# Altium PCB PCB1.PcbDoc (part 2 of 5) (continued)
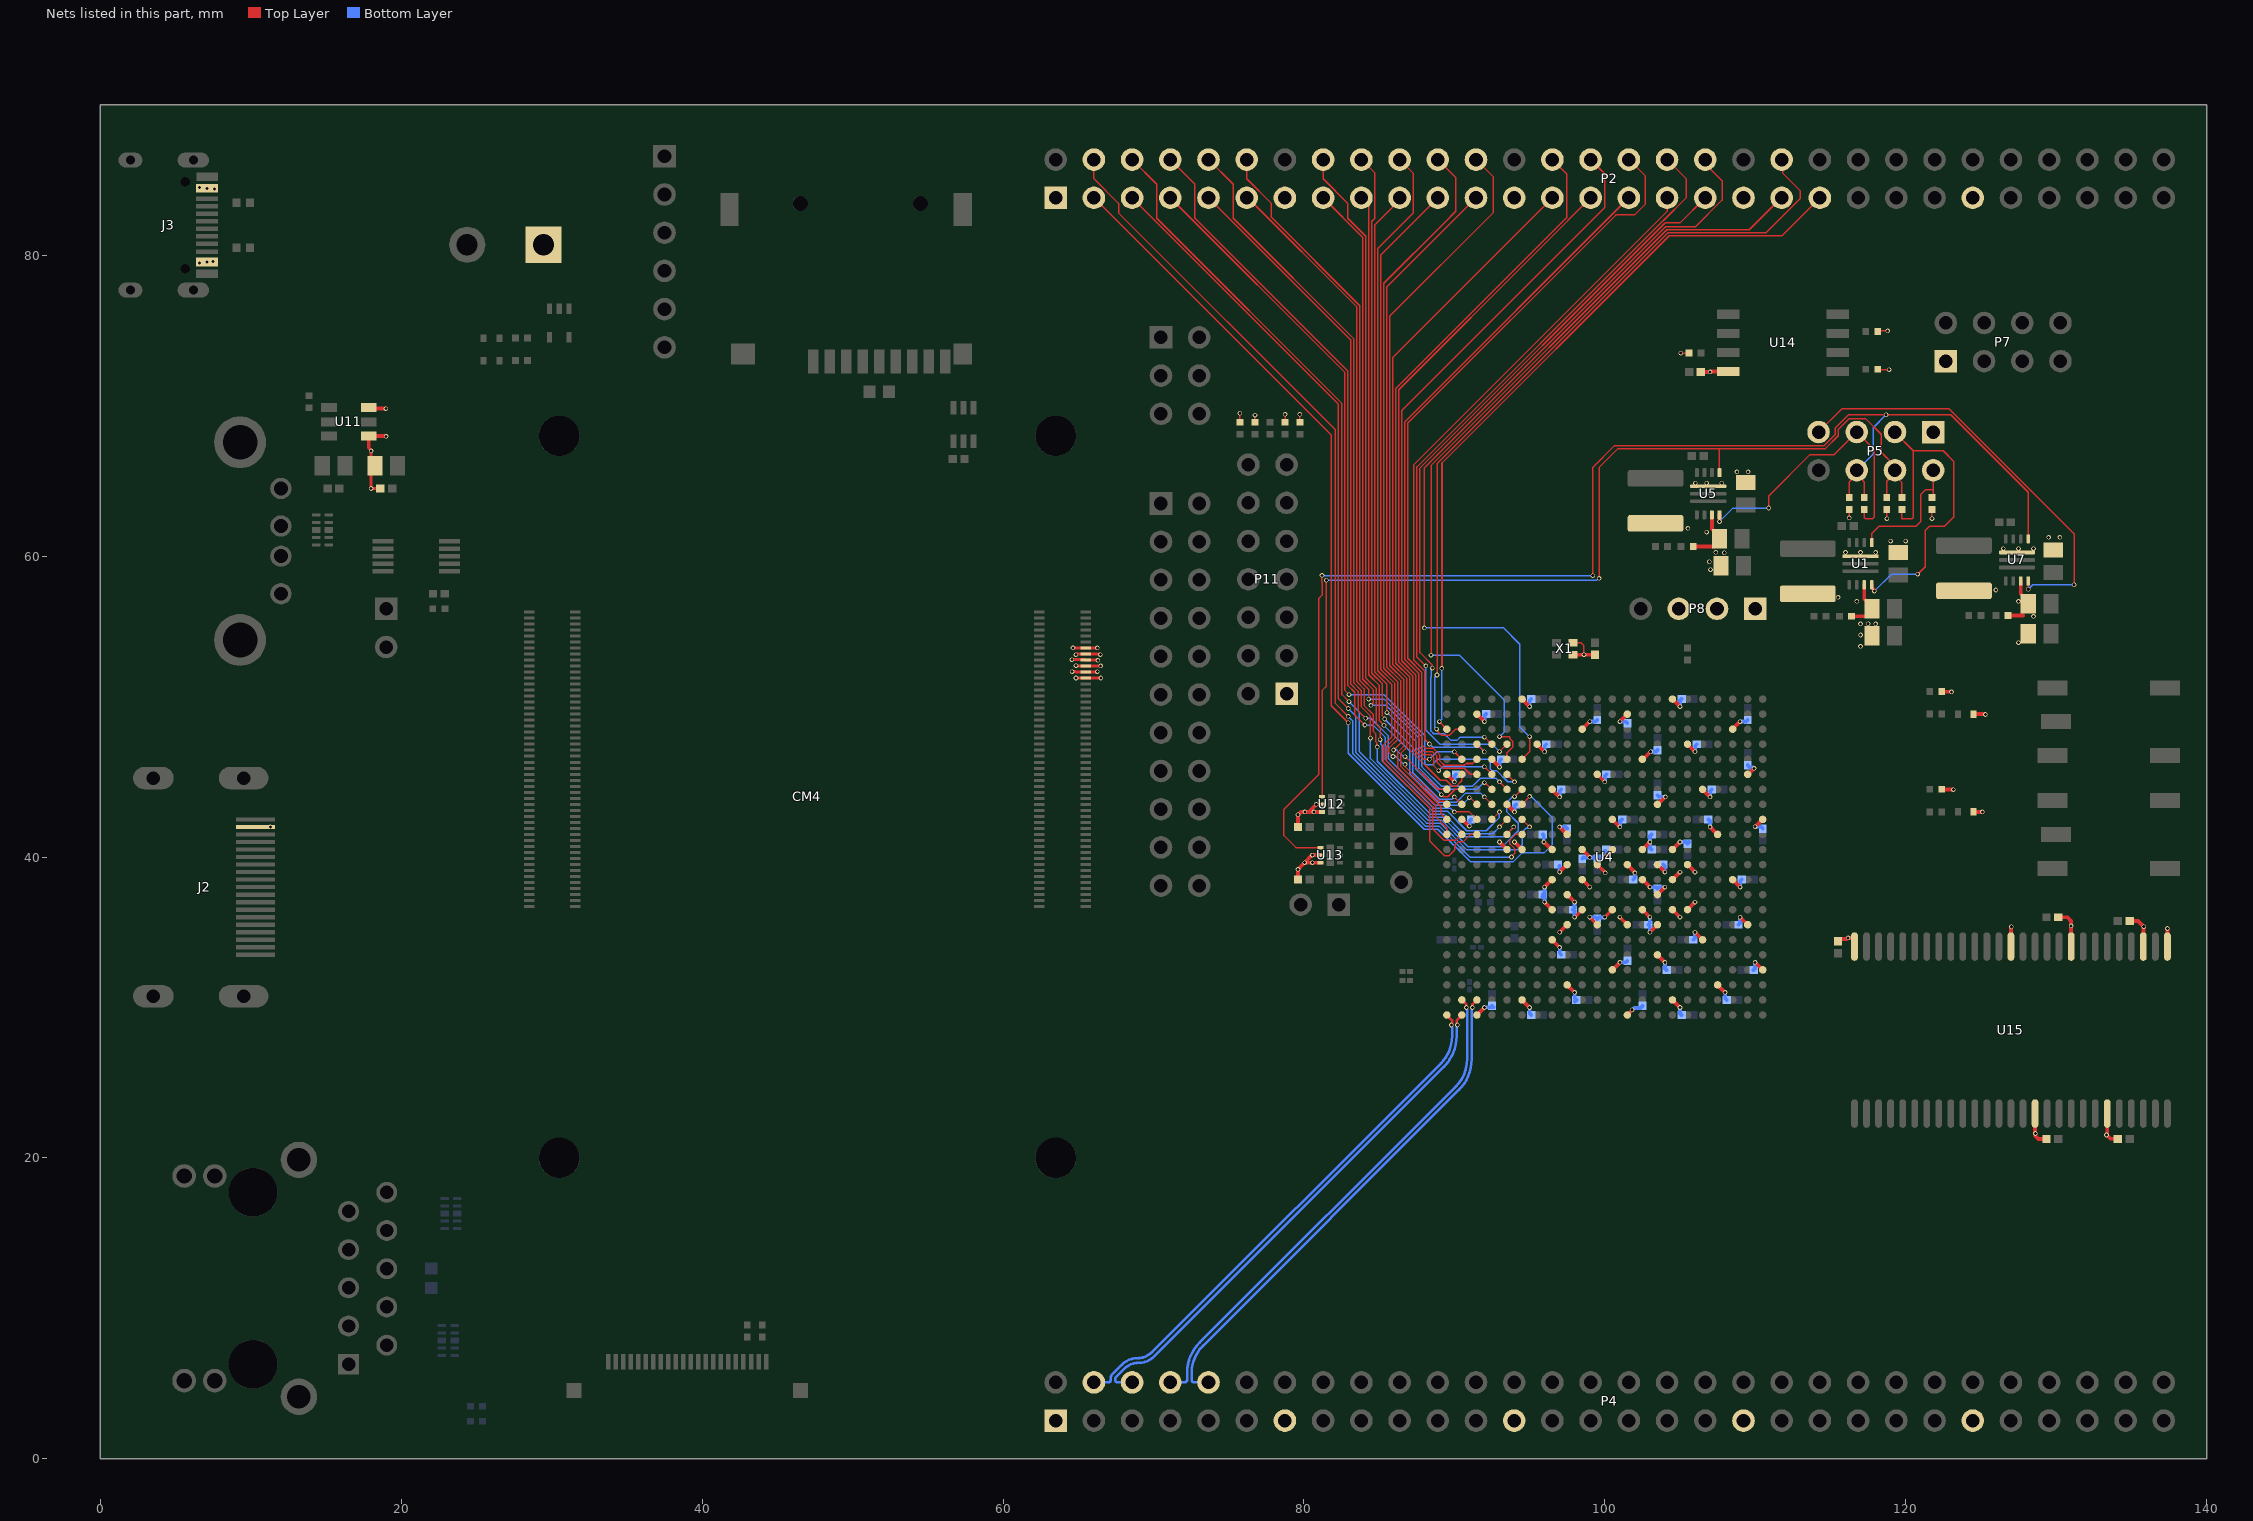
[diagram p6: the nets of this part, all layers, seen from the top]
## Part data (continued)
SW1 SW2: "Tact Switch", Manufacturer="ShenZhen XieJia Electronics Co Ltd", PartNumber=TD-07XB
U1 U5 U7: "IC REG BUCK ADJUSTABLE 4A 11VQFN", Digikey PartNumber=296-50117-2-ND, Manufacturer="Texas Instruments", PartNumber=TPS621361RGXR
U2: library part CMP-07103-000004-1, "IC USB SWITCH DPDT 10MSOP", Case/Package=MSOP, Current=100mA, Max Operating Temperature=85°C, Max Supply Voltage=4.3V, Min Operating Temperature=-40°C, Min Supply Voltage=3V, On-State Resistance=6.5R, Package Quantity=1, Data Rate=480Mbps, Height=0.85mm, Lead Free="Lead Free", Length=3mm, Mount="Surface Mount", Number of Channels=2, Number of Inputs=2, Number of Outputs=4, Number of Pins=10, Operating Supply Voltage=4.3V, Packaging="Tape and Reel", Radiation Hardening=No, REACH SVHC="No SVHC", Supply Type=Single, Throw Configuration=DPDT, Voltage=4.3V, Weight=0.1125g, Width=3mm
U3: library part CMP-2000-05689-1, "Single Schmitt Trigger Buffer, 1.65 to 5.5 V, -40 to 125 degC, 5-Pin TSSOP (SOT353-1), RoHS, Tape and Reel", Manufacturer="NXP Semiconductors", Maximum High Level Output Current=-32mA, Maximum Low Level Output Current=32mA, Maximum Operating Supply Voltage=5.5V, Maximum Operating Temperature=+125°C, Minimum Operating Supply Voltage=1.65V, Minimum Operating Temperature=-40°C, Package Description="5-Pin Thin Shrink Small Outline Package, Body 2.05 x 1.25 mm, Pitch 0.65 mm", Package Reference=SOT353-1, Package Type=TSSOP, Datasheet URL=http://www.nxp.com/documents/data_sheet/74LVC1G17.pdf?fasp=1&WT_TYPE=Data%20Sheets&WT_VENDOR=FREESCALE&WT_FILE_FORMAT=pdf&WT_ASSET=Documentation&fileExt=.pdf, Datasheet Version="Rev. 10, 06/2012", Dimensions=2.25x1.35x1mm, Height=1mm, Input Type=SchmittTrigger, Length=2.25mm, Logic Family=LVC, Logic Function=Buffer, Manufacturer URL=http://www.nxp.com/, Maximum Propagation Delay Time @ Maximum CL=14ns, Mounting Technology=SurfaceMount, Mounting Type=SurfaceMount, Number of Channels=1, Output Type=SingleEnded, Package URL=http://www.nxp.com/documents/outline_drawing/SOT353-1.pdf, PartId=1, Pin Count=5, Polarity=Non-Inverting, Schmitt Trigger Input=Yes, Width=1.35mm
U4: library part CMP-0383-00019-1, "Artix-7 FPGA, 250 User I/Os, 4 GTP, 484-Ball BGA, Speed Grade 2, Commercial Grade, Pb-Free", Manufacturer=Xilinx, Operating Temperature Range=Commercial, Available User I/O=250, CMTs=5, ComponentLink1Description="Manufacturer URL", ComponentLink1URL=http://www.xilinx.com/, ComponentLink2Description=Datasheet, ComponentLink2URL=http://www.xilinx.com/support/documentation/data_sheets/ds180_7Series_Overview.pdf, ComponentLink3Description=Pinout, ComponentLink3URL=http://www.xilinx.com/support/documentation/user_guides/ug475_7Series_Pkg_Pinout.pdf, ComponentLink4Description="Package Specification", ComponentLink4URL=http://www.xilinx.com/support/documentation/user_guides/ug475_7Series_Pkg_Pinout.pdf, DatasheetVersion="Rev. 1.15", GTP=4, Logic Cells=33280, Maximum Distributed RAM="400 Kb", Mounting Technology="Surface Mount", PackageDescription="484-Ball Wire-Bond Fine-Pitch BGA, Body 23 x 23 mm, Pitch 1 mm", PackageReference=FGG484, PackageVersion="Rev. 1.11", PartNumber=XC7A35T-2FGG484C, Speed Grades=2, Total Block RAM="1800 Kb"
U6: library part CMP-04912-000027-1, "POWER MANAGEMENT"
U8 U9 U10: library part CMP-0326-00027-3, "ESD Solution for Super-Speed (6 GBPS) USB 3.0 Interface, 4 Channels, -40 to +85 degC, 10-pin SON (DQA), Green (RoHS & no Sb/Br)", Breakdown Voltage(Min)(V)=8, Differential Capacitance(pF)=0.05, IO Capacitance(Typ)(pF)=0.8, IO Leakage Current(nA)=10, Manufacturer="Texas Instruments", 1394 / Firewire=TRUE, ComponentLink1Description="Manufacturer URL", ComponentLink1URL=http://www.ti.com/, ComponentLink2Description=Datasheet, ComponentLink2URL=http://www.ti.com/general/docs/lit/getliterature.tsp?genericPartNumber=TPD4EUSB30&fileType=pdf, ComponentLink3Description="URL Link1", ComponentLink3URL=SamplesURL:http://www.ti.com/product/tpd4eusb30#samples, DatasheetVersion=SLVSAC2C, Eco-Plan="Green (RoHS & no Sb/Br)", HDMI=TRUE, IEC 61000-4-2 Air-Gap(+/- kV)=8, IEC 61000-4-2 Contact(+/- kV)=8, Mounting Technology="Surface Mount", PackageDescription="10-Pin Plastic Small Outline No-Lead, 1 x 2.5 x 0.55 mm Body, 0.5 mm Pitch", PackageReference=DQA0010A, PackageVersion="revB, Sep-2009", PartNumber=TPD4EUSB30DQAR, Serial ATA / eSATA=TRUE, SubFamily="ESD Solution", USB Full Speed=TRUE, USB High Speed=TRUE, USB Super Speed=TRUE
U11: "LOAD SWITCH,SOT26,T&R,3K", Digikey PartNumber=31-AP22653W6-7TR-ND, Manufacturer="Diodes Incorporated", PartNumber=AP22653W6-7
U12 U13: "500mA LDO with  Ripple Blocker Technology", Digikey PartNumber=576-4164-2-ND, Manufacturer="Microchip Technology", PartNumber=MIC94325YMT-TR
U14: library part CMP-12948-000004-1, "IC FLASH 64M SPI 108MHZ 8SOIC", Ambient Temperature Range High=+85°C, Ambient Temperature Range Low=-40°C, Frequency=108MHz, Manufacturer="Cypress Semiconductor", Max Supply Voltage=3.6V, Min Supply Voltage=2.7V, Nominal Supply Current=10-20mA, Package=002-15548, Temperature="-40°C to +85°C", Access Time=8ns, Automotive=No, Category=IC, ComponentLink2Description=Datasheet, ComponentLink2URL=https://www.cypress.com/file/316661/download, Device Class L1="Integrated Circuits (ICs)", Device Class L2=Memory, Device Class L3=Flash, Digikey Description="IC FLASH 64M SPI 108MHZ 8SOIC", Footprint Url=http://www.cypress.com/file/217366/download, Height=2.16mm, Interface=SPI,Other, Lead Free=Yes, Manufacturer Part Number=S25FL064LABMFI013, Memory Size=64Mbits, Memory Type=FLASH,NOR, Mouser Description="IC FLASH NOR 8SOIC", Octopart=https://octopart.com/s25fl064labmfi013-cypress+semiconductor-81630477, RoHS=TRUE, Standoff Height=0.05mm, Temperature Range High=+85°C, Temperature Range Low=-40°C
U15: library part CMP-2000-05232-1, "256 Mb PC133 SDR SDRAM, 16 Mb x 16, 3 to 3.6 V, 0 to 70 degC, 54-Pin TSOP (TG), Pb-Free", Manufacturer=Micron, Maximum Operating Supply Voltage=3.6V, Maximum Operating Temperature=+70degC, Minimum Operating Supply Voltage=3V, Minimum Operating Temperature=0degC, Package Description="54-Pin Thin Small Outline Package, Body 10.2 x 22.3 mm, Pitch 0.8 mm", Package Reference=TG-54, Package Type=TSOP, Package Version="Rev.W, 05/2012", Address Bus Width=15bit, Data Bus Width=16bit, Datasheet URL=https://www.micron.com/~/media/documents/products/data-sheet/dram/256mb_sdr.pdf, Datasheet Version="Rev. W, 05/2015", Dimensions=22.22x10.16x1.2mm, Height=1.2mm, Length=22.22mm, Manufacturer URL=https://www.micron.com/, Maximum Random Access Time=6ns, Memory Size=256MB, Mounting Type=SurfaceMount, Number of Bits per Word=16bit, Number of Words=16M, Organisation=16Mx16bit, Package URL=https://www.micron.com/~/media/documents/products/data-sheet/dram/256mb_sdr.pdf, Pin Count=54, Width=10.16mm
X1: library part CMP-0461-00001-3, "Crystal Clock Oscillator, 50 MHz, -20 to 70 degC, 1.6 x 1.2 x 0.7 mm SMD", Frequency(MHz)=50, Manufacturer=Abracon, Operating Temperature="-20 to 70 degC", Overall Frequency Stability="+/-30 ppm", Supply Current (Idd)
into 15pF Load="6 mA", Supply Voltage (Vdd)="3.3 V", Aging="-3 to 3 3 ppm", ComponentLink1Description="Manufacturer URL", ComponentLink1URL=http://www.abracon.com, ComponentLink2Description=Datasheet, ComponentLink2URL=http://www.abracon.com/Oscillators/ASCO.pdf, ComponentLink3Description="Package Specification", ComponentLink3URL=http://www.abracon.com/Oscillators/ASCO.pdf, DatasheetVersion=01.25.13, Mounting Technology="Surface Mount", Output Load="15 pF", PackageDescription="4-Pin Hand Drawn, Body 1.6 x 1.2 mm", PackageReference=ASCO-50.000MHZ-EK-T3-4, Packing="Tape and Reel", PartNumber=ASCO-50.000MHZ-EK-T3

## Via types
v1: diameter 0.305, hole 0.203, Top Layer to Bottom Layer, 686 vias

## Nets (pads, with @x,y where several pads share a name; then routed paths per layer and width w, separated by ;. In a path a pad name is that pad's centre, name@x,y a point inside that pad or via, vN(x,y) a via of type N, cw(c..) or ccw(c..) an arc to the next point about the centre after c; other vN are vias at no path point)
1.8V_EN: P5.4 R20.1 R21.1 U5.8 U12.4 | length 69.1
  Top Layer w0.1: U12.4@81.21,44 81.21,51.065 81.5,51.355 v1(81.5,58.4) ; v1(99.625,58.525) 99.625,65.9 100.877,67.152 107.606,67.152 ; U5.8@107.625,65.55 107.606,65.569 107.606,67.152 ; R20.1@118.75,63.9 118.75,64.977 P5.4@119.29,65.517 ; R21.1@119.75,63.9 119.75,64.897 119.29,65.357 P5.4@119.29,65.517 ; 107.606,67.152 114.665,67.152 115.521,68.008 115.521,68.421 116.249,69.149 117.326,69.149 118.375,68.1 118.375,66.906 119.29,65.991 P5.4@119.29,65.71 P5.4@119.29,65.517
  Bottom Layer w0.1: v1(81.5,58.4) v1(81.5,58.4) 99.443,58.399 99.57,58.525 v1(99.625,58.525)
1.8V_GOOD: P5.5 R23.2 U5.7 | length 19.9
  Top Layer w0.1: v1(110.901,63.2) 110.901,64.001 113.65,66.75 115.25,66.75 P5.5@116.75,68.25 117.9,67.1 117.9,62.584 117.816,62.5 117.309,62.5 117.25,62.559 R23.2@117.25,63.1
  Top Layer w0.254: v1(107.625,62.3) U5.7@107.625,62.75
  Bottom Layer w0.1: v1(107.625,62.3) 108.525,63.2 v1(110.901,63.2)
1V_EN: P5.2 R19.1 U1.8 | length 8.8
  Top Layer w0.1: U1.8@117.75,60.9 117.75,61.5 118.25,62 120.7,62 121,62.3 121,64.1 121.3,64.4 121.83,64.4 ; R19.1@121.75,63.9 121.83,63.98 121.83,64.4 ; P5.2@121.83,65.71 121.83,64.4
1V_GOOD: P5.3 R21.2 U1.7 | length 23.5
  Top Layer w0.1: P5.3@119.29,68.25 119.29,68.21 120.5,67 ; R21.2@119.75,63.1 119.75,62.5 120.441,62.5 120.5,62.559 120.5,67 ; v1(120.8,58.8) 121.3,59.3 121.3,61.7 121.6,62 122.6,62 123.2,62.6 123.2,66.3 122.5,67 120.5,67
  Top Layer w0.254: U1.7@117.75,58.1 117.75,57.929 117.915,57.764 117.915,57.685 v1(117.925,57.675)
  Bottom Layer w0.1: v1(117.925,57.675) 119.05,58.8 v1(120.8,58.8)
3.3V_EN: P5.6 R22.1 R23.1 U7.8 U13.4 | length 90.5
  Top Layer w0.1: U13.4@81.11,40.625 79.475,40.625 78.675,41.425 78.675,43.175 81,45.5 81,57.2 81.21,57.41 81.21,58.264 81.199,58.275 81.199,58.714 v1(81.205,58.72) ; v1(99.2,58.7) 99.2,65.9 100.651,67.351 114.582,67.351 115.322,68.091 115.322,68.522 116.2,69.4 v1(118.7,69.4) 123,69.4 128.15,64.25 U7.8@128.15,61.15 ; R22.1@116.25,63.9 116.25,64.937 P5.6@116.75,65.437 ; P5.6@116.75,65.71 P5.6@116.75,65.437 ; R23.1@117.25,63.9 117.25,64.937 P5.6@116.75,65.437
  Bottom Layer w0.1: v1(81.205,58.72) 81.215,58.71 99.19,58.71 v1(99.2,58.7) ; P5.6@116.75,65.71 117.839,66.799 117.839,68.539 v1(118.7,69.4)
3.3V_GOOD: P5.7 U7.7 | length 28.2
  Top Layer w0.1: P5.7@114.21,68.25 115.76,69.8 122.881,69.8 131.2,61.481 v1(131.2,58.1) ; v1(128.15,57.8) U7.7@128.15,58.35
  Bottom Layer w0.1: v1(128.15,57.8) 128.45,58.1 v1(131.2,58.1)
+1: C10.1 C11.1 C12.1 C13.2 C14.2 C16.1 C17.2 C48.1 C57.1 L2.2 P8.1 R7.2 U1.6 U4.H8 U4.H10 U4.J7 U4.J9 U4.J11 U4.K8 U4.L7 U4.L11 U4.M8 U4.N7 U4.N11 U4.P8 U4.P10 U4.R7 U4.R9 U4.T8 U4.T10 | length 22
  Top Layer w0.254: v1(96,37) U4.H8@96.5,36.5 ; v1(96,38) U4.H10@96.5,38.5 ; v1(97,35) U4.J7@97.5,35.5 ; v1(97,39) U4.J11@97.5,39.5 ; U4.J9@97.5,37.5 v1(98,37) ; v1(98,36) U4.K8@98.5,36.5 ; v1(99,36) U4.L7@99.5,35.5 ; U4.L11@99.5,39.5 99.5,39.491 100.03,38.961 v1(100.03,38.952) ; v1(100,36) U4.M8@100.5,36.5 ; v1(101,36) U4.N7@101.5,35.5 ; U4.N11@101.5,39.5 101.5,39.462 102,38.962 v1(102,38.949) ; U4.P8@102.5,36.5 v1(103,36) ; U4.P10@102.5,38.5 v1(103,38) ; v1(103,35) U4.R7@103.5,35.5 ; U4.R9@103.5,37.5 v1(104,38) ; U4.T8@104.5,36.5 v1(105,36) ; U4.T10@104.5,38.5 v1(105,39) ; R7.2@116.4,56 117.377,56 117.75,56.373 C48.1@117.75,56.5 117.75,56.65 117.25,57.15 U1.6@117.25,58.1
  Bottom Layer w0.254: C11.1@95.853,37.363 95.94,37.45 C11.1@95.89,37.5 ; v1(96,37) 95.99,37.01 95.99,37.5 96,37.51 v1(96,38) ; C17.2@96.99,39.4 96.99,39.01 v1(97,39) ; v1(98,36) 97.99,36.01 97.99,36.4 C12.1@97.89,36.5 97.99,36.6 97.99,36.99 v1(98,37) ; v1(99,36) 99.01,35.99 99.4,35.99 C14.2@99.5,35.89 99.6,35.99 99.99,35.99 v1(100,36) ; C16.1@101.89,38.5 101.99,38.6 101.99,38.939 v1(102,38.949) ; v1(103,35) 102.99,35.01 102.99,35.4 C13.2@102.89,35.5 102.99,35.6 102.99,35.99 v1(103,36) ; v1(103,38) 103.01,37.99 103.4,37.99 C10.1@103.5,37.89 103.6,37.99 103.99,37.99 v1(104,38)
  other v1: 117,54 117.008,54.757 117,55.5 117.508,55.507 118,55.5 116.75,57 115.508,57.257
+1.8: C15.1 C18.2 C19.2 C20.1 C21.1 C22.1 C51.1 C58.1 C61.2 C62.2 C81.1 L3.2 P8.2 R12.2 U4.E12 U4.H12 U4.K10 U4.K12 U4.M12 U4.P12 U4.R11 U5.6 U12.5 U12.6 U13.5 U13.6 | length 20.8
  Top Layer w0.254: C62.2@79.61,38.5 v1(79.61,39.185) v1(80.05,39.625) ; C61.2@79.61,42 v1(79.61,42.81) 79.8,43 80.325,43 ; U13.6@81.11,39.625 v1(80.05,39.625) ; U13.5@81.11,40.125 80.55,40.125 v1(80.05,39.625) ; U12.6@81.21,43 80.325,43 ; U12.5@81.21,43.5 81.208,43.498 v1(80.823,43.498) 80.325,43 ; v1(93,41) U4.E12@93.5,40.5 ; v1(95.949,41.002) 95.962,41.002 96.464,40.5 U4.H12@96.5,40.5 ; U4.K10@98.5,38.5 v1(99,38) ; U4.K12@98.5,40.5 98.5,40.492 99,39.992 v1(99,39.984) ; v1(100.033,40.012) 100.033,40.022 100.5,40.49 U4.M12@100.5,40.5 ; U4.P12@102.5,40.5 v1(103,41) ; U4.R11@103.5,39.5 v1(104,39) ; R12.2@105.875,60.65 107.252,60.65 107.625,61.023 C51.1@107.625,61.15 107.625,61.3 107.125,61.8 U5.6@107.125,62.75
  Bottom Layer w0.1: v1(100.033,40.012) 100.033,40.377 100.033,40.423 C81.1@100.11,40.5
  Bottom Layer w0.254: C18.2@95.89,41.5 95.939,41.451 95.939,41.012 v1(95.949,41.002) ; C15.1@98.5,39.89 98.584,39.974 98.99,39.974 v1(99,39.984) 99.01,39.974 99.416,39.974 C19.2@99.5,39.89 99.612,40.002 100.023,40.002 v1(100.033,40.012) 100.042,40.022 100.042,40.367 100.033,40.377 C81.1@100.01,40.4 ; C20.1@103.11,40.5 103.01,40.6 103.01,40.99 v1(103,41) 103.01,41.01 103.01,41.4 C22.1@103.11,41.5 ; C21.1@103.89,39.5 103.99,39.4 103.99,39.01 v1(104,39)
  other v1: 80.56,39.625 80.56,40.125 80.062,43 80.66,43 107.025,59.1 106.955,59.628 107.95,60.225 107.375,60.25 106.775,61.6 105.525,61.85
+3.3: C9.2 C24.1 C25.1 C26.1 C27.1 C28.1 C29.2 C30.2 C32.1 C33.1 C34.1 C35.1 C36.2 C37.2 C39.1 C40.1 C41.1 C42.1 C43.2 C44.2 C54.1 C59.1 C64.1 C65.1 C66.1 C67.2 C68.2 C69.1 C70.1 C71.1 C72.1 C73.2 C74.2 C75.1 C76.1 C77.1 C78.1 C79.2 C80.2 C82.2 C87.1 C88.1 C89.1 C90.1 C91.1 D3.1 D4.1 L4.2 P2.1 P2.13 P2.25 P2.37 P2.49 P4.1 P4.13 P4.25 P4.37 P4.49 P7.1 P8.3 P11.1 R14.2 R15.2 R16.2 R17.2 R28.2 R29.2 R30.2 R31.2 R38.2 R39.2 U4.A17 U4.AA7 U4.AA17 U4.AB4 U4.AB14 U4.B14 U4.C1 U4.C21 U4.D18 U4.E15 U4.F2 U4.F12 U4.F22 U4.G19 U4.H6 U4.H16 U4.J3 U4.J13 U4.K20 U4.L17 U4.M4 U4.M14 U4.N1 U4.N21 U4.P18 U4.R5 U4.R15 U4.T2 U4.T12 U4.T22 U4.U8 U4.U11 U4.U19 U4.V6 U4.V16 U4.W3 U4.W13 U4.Y10 U4.Y20 U7.6 U14.8 U15.1 U15.3 U15.9 U15.14 U15.27 U15.43 U15.49 X1.1 X1.4 | length 76.5
  Top Layer w0.1: R14.2@75.75,68.9 v1(75.75,69.5) ; R15.2@76.75,68.9 v1(76.75,69.375) ; R31.2@78.75,68.9 v1(78.75,69.425) ; v1(79.725,69.425) 79.725,68.925 R16.2@79.75,68.9 ; X1.1@97.892,54.25 98.417,54.25 98.617,54.05 v1(98.617,53.45) ; v1(105.05,73.5) R30.2@105.6,73.5 ; R29.2@118.15,72.425 118.175,72.4 v1(118.9,72.4) ; R28.2@118.15,74.925 118.2,74.975 v1(118.8,74.975)
  Top Layer w0.254: U4.A17@89.5,45.5 v1(90,45) ; U4.B14@90.5,42.5 90.538,42.5 90.986,42.051 v1(91,42.051) ; U4.C1@91.5,29.5 v1(92,30) ; U4.C21@91.5,49.5 v1(92,49) ; U4.D18@92.5,46.5 92.5,46.491 93.005,45.986 v1(93.005,45.977) ; U4.E15@93.5,43.5 v1(94,43) ; v1(94,41) U4.F12@94.5,40.5 ; U4.F2@94.5,30.5 v1(95,30) ; U4.F22@94.5,50.5 v1(95,50) ; U4.G19@95.5,47.5 v1(96,47) ; U4.H6@96.5,34.5 v1(97,34) ; U4.H16@96.5,44.5 v1(97,44) ; v1(97,42) U4.J13@97.5,41.5 ; U4.J3@97.5,31.5 v1(98,31) ; X1.4@97.892,53.45 v1(98.617,53.45) 99.318,53.45 ccw(c99.318,53.484) C9.2@99.342,53.46 ; U4.K20@98.5,48.5 v1(99,49) ; U4.L17@99.5,45.5 v1(100,45) ; U4.M4@100.5,32.5 100.503,32.5 101.003,33 v1(101.007,33) ; U4.M14@100.5,42.5 v1(101,42) ; v1(101,49) U4.N21@101.5,49.5 ; U4.N1@101.5,29.5 101.5,29.513 101.824,29.837 v1(101.824,29.85) ; U4.P18@102.5,46.5 102.538,46.5 103.038,47 v1(103.051,47) ; U4.R5@103.5,33.5 v1(104,33) ; U4.R15@103.5,43.5 103.514,43.5 104.016,44.002 v1(104.03,44.002) ; U4.T2@104.5,30.5 v1(105,30) ; U4.T12@104.5,40.5 v1(105,41) ; U4.T22@104.5,50.5 v1(105,50) ; U4.U8@105.5,36.5 v1(106,37) ; U4.U11@105.5,39.5 v1(106,39) ; U4.U19@105.5,47.5 v1(106,47) ; v1(106,35) U4.V6@106.5,34.5 ; C82.2@106.39,72.25 v1(107,72.25) 107.014,72.25 107.034,72.27 U14.8@108.2,72.27 ; U4.V16@106.5,44.5 v1(107,44) ; v1(107,42) U4.W13@107.5,41.5 ; U4.W3@107.5,31.5 v1(108,31) ; U4.Y10@108.5,38.5 v1(109,38) ; U4.Y20@108.5,48.5 v1(109,49) ; v1(109,36) U4.AA7@109.5,35.5 ; U4.AA17@109.5,45.5 109.516,45.5 109.913,45.897 v1(109.927,45.897) ; v1(110,33) U4.AB4@110.5,32.5 ; v1(110,42.022) 110.011,42.022 110.489,42.5 U4.AB14@110.5,42.5 ; C90.1@115.5,34.39 115.5,34.41 115.633,34.543 116.079,34.543 116.161,34.625 v1(116.175,34.625) 116.509,34.625 116.6,34.534 U15.27@116.6,34.05 116.6,33.591 U15.27@116.509,33.5 ; R38.2@122.4,44.5 123.136,44.5 123.161,44.475 v1(123.175,44.475) ; R39.2@122.4,51 122.415,50.985 123.04,50.985 v1(123.05,50.975) ; D3.1@124.525,43 v1(125.1,43) ; D4.1@124.525,49.5 125.261,49.5 125.286,49.475 v1(125.3,49.475) ; R17.2@126.8,56.05 127.8,56.05 ; v1(127.025,35.364) 127.025,35.351 127,35.326 127,34.075 U15.14@127.025,34.05 ; U7.6@127.65,58.35 127.65,57.5 128.15,57 C54.1@128.15,56.85 ; U15.43@128.6,22.95 128.6,21.664 128.625,21.639 v1(128.625,21.625) 128.635,21.615 128.635,21.44 128.825,21.25 C87.1@129.36,21.25 ; C89.1@130.14,36 130.75,36 130.99,35.76 130.99,35.435 v1(131,35.425) U15.9@131,34.05 ; U15.49@133.4,22.95 133.4,21.589 133.35,21.539 133.614,21.275 134.085,21.275 C88.1@134.11,21.25 ; C91.1@134.89,35.75 135.446,35.75 135.815,35.38 135.815,34.065 U15.3@135.8,34.05 U15.3@135.815,34.035 ; U15.1@137.4,34.05 v1(137.4,35.25)
  Bottom Layer w0.254: v1(90,45) 90.01,45.01 90.01,45.4 C72.1@90.11,45.5 ; v1(91,42.051) 91.01,42.061 91.01,42.4 C73.2@91.11,42.5 ; v1(92,30) 92.01,30.01 92.4,30.01 C75.1@92.5,30.11 C75.1@92.6,30.01 ; v1(92,49) 92.01,49.01 92.01,49.4 C70.1@92.11,49.5 ; v1(93.005,45.977) 93.014,45.987 93.014,46.404 C69.1@93.11,46.5 ; v1(94,43) 94.01,43.01 94.01,43.4 C71.1@94.11,43.5 ; v1(95,30) 95.01,29.99 95.01,29.6 C78.1@95.11,29.5 ; v1(95,50) 95.01,50.01 95.01,50.4 C74.2@95.11,50.5 ; v1(96,47) 96.01,47.01 96.01,47.4 C27.1@96.11,47.5 ; v1(97,34) 97.01,33.99 97.01,33.6 C79.2@97.11,33.5 ; v1(97,42) 97.01,41.99 97.395,41.99 C30.2@97.496,41.89 ; v1(97,44) 97.01,44.01 97.01,44.4 C28.1@97.11,44.5 ; v1(98,31) 98.01,30.99 98.01,30.6 C76.1@98.11,30.5 C76.1@98.014,30.404 ; v1(99,49) 99.01,49.01 99.4,49.01 C26.1@99.5,49.11 ; v1(100,45) 100.01,45.01 100.01,45.4 C25.1@100.11,45.5 ; v1(101,42) 101.01,42.01 101.01,42.367 101.143,42.5 C39.1@101.154,42.5 ; v1(101,49) 101.01,48.99 101.4,48.99 C29.2@101.5,48.89 ; v1(101.007,33) 101.016,33.01 101.4,33.01 C77.1@101.5,33.11 ; v1(101.824,29.85) 101.864,29.85 101.971,29.957 102.367,29.957 102.5,30.09 C80.2@102.5,30.11 ; v1(103.051,47) 103.061,47.01 103.4,47.01 C42.1@103.5,47.11 ; C44.2@103.504,44.11 103.602,44.012 104.02,44.012 v1(104.03,44.002) ; v1(104,33) 104.01,32.99 104.01,32.6 C36.2@104.11,32.5 ; v1@104.99,41.01 v1(105,41) 105.01,40.99 105.4,40.99 C24.1@105.5,40.89 C24.1@105.6,40.99 ; v1(105,30) 105.01,29.99 105.01,29.6 C34.1@105.11,29.5 ; v1(105,50) 105.01,50.01 105.01,50.4 C41.1@105.11,50.5 ; C32.1@105.89,34.5 105.99,34.6 105.99,34.99 v1(106,35) ; v1(106,47) 106.01,47.01 106.01,47.4 C43.2@106.11,47.5 ; C66.1@106.89,42.5 106.99,42.4 106.99,42.01 v1(107,42) ; v1(107,44) 107.01,44.01 107.01,44.4 C64.1@107.11,44.5 ; v1(108,31) 108.01,30.99 108.01,30.6 C37.2@108.11,30.5 ; C35.1@108.89,35.5 108.99,35.6 108.99,35.99 v1(109,36) ; v1(109,38) 109.01,38.01 109.01,38.4 C68.2@109.11,38.5 ; v1(109,49) 109.01,49.01 109.4,49.01 C40.1@109.5,49.11 ; C65.1@109.5,46.11 109.5,46.09 109.633,45.957 109.853,45.957 109.913,45.897 v1(109.927,45.897) ; C33.1@109.89,32.5 109.99,32.6 109.99,32.99 v1(110,33) ; v1(110,42.022) 110.01,42.013 110.377,42.013 C67.2@110.5,41.89
  other v1: 133.35,21.525 135.825,35.375 127.5,54.25 128.5,56 127.5,57 126,57.75
+5: C47.1 C50.1 C53.1 C63.2 C83.1 CM4.77 CM4.79 CM4.81 CM4.83 CM4.85 CM4.87 J2.18 J3.A4/B9 J3.A9/B4 J7.1 P5.1 R19.2 R20.2 R22.2 U1.1 U5.1 U7.1 U11.1 U11.3 | length 18.5
  Top Layer w0.1: v1(116.25,62.55) R22.2@116.25,63.1 ; v1(118.75,62.5) R20.2@118.75,63.1 ; v1(121.75,62.5) R19.2@121.75,63.1
  Top Layer w0.203: U11.1@17.84,67.98 17.84,67.187 18,67.027 v1(18,67) 18,66.25 C83.1@18.25,66 18,65.75 v1(18,64.5) C63.2@18.61,64.5 ; v1(64.575,53.125) 65.475,53.125 CM4.83@65.5,53.1 66.248,53.1 66.273,53.075 v1(66.3,53.075) ; v1(64.6,52.325) 64.827,52.325 64.851,52.302 CM4.79@65.5,52.3 CM4.79@65.5,52.3 66.223,52.3 66.248,52.325 v1(66.275,52.325) ; v1(64.65,53.9) 65.5,53.9 v1(66.275,53.9) ; v1(64.839,53.45) 64.852,53.45 64.902,53.5 66.398,53.5 66.448,53.45 v1(66.475,53.45) ; v1(64.85,51.9) CM4.77@65.5,51.9 v1(66.5,51.9) ; v1(64.85,52.725) 64.877,52.725 64.901,52.702 65.498,52.702 CM4.81@65.5,52.7 65.502,52.702 66.477,52.702 v1(66.487,52.712)
  Top Layer w0.254: U11.1@17.84,67.98 18.963,67.98 18.985,67.958 v1(18.999,67.958) ; U11.3@17.84,69.88 17.903,69.817 18.964,69.817 v1(18.974,69.808)
  other v1: 11.3,42 116,60.25 117,60.25 118,60.25 126.5,60.5 127.5,60.5 128.5,60.5 119,61 120,61 129.5,61.25 130.25,61.25 106.025,64.85 106.775,64.85 107.775,64.85 108.775,65.6 109.525,65.6 6.6,79.5 7.092,79.55 7.5,79.6 7.6,84.4 7.092,84.45 6.6,84.5
AD4_N: P4.4 U4.A1 | length 35.5
  Top Layer w0.174: U4.A1@89.5,29.5 89.849,29.151 89.849,28.92 89.798,28.869 v1(89.798,28.833)
  Bottom Layer w0.174: P4.4@66.04,5.08 66.985,5.08 ccw(c66.985,5.254) 67.108,5.131 ccw(c66.985,5.254) 67.159,5.254 67.159,5.349 cw(c67.562,5.349) 67.277,5.634 67.914,6.271 cw(c68.915,5.27) 68.915,6.685 ccw(c68.915,8.1) 69.915,7.1 89.105,26.29 ccw(c87.309,28.086) 89.849,28.086 89.849,28.671 ccw(c89.804,28.671) 89.836,28.703 cw(c89.868,28.735) 89.823,28.735 89.823,28.773 ccw(c89.738,28.773) v1(89.798,28.833)
AD4_P: P4.6 U4.B1 | length 35.5
  Top Layer w0.174: v1(90.202,28.833) 90.202,28.869 90.151,28.92 90.151,29.151 U4.B1@90.5,29.5
  Bottom Layer w0.174: P4.6@68.58,5.08 67.635,5.08 cw(c67.635,5.254) 67.512,5.131 cw(c67.635,5.254) 67.461,5.254 67.461,5.287 cw(c67.713,5.287) 67.535,5.465 68.039,5.969 cw(c69.039,4.969) 69.039,6.384 ccw(c69.039,7.799) 70.04,6.798 89.319,26.077 ccw(c87.312,28.085) 90.151,28.085 90.151,28.671 cw(c90.196,28.671) 90.164,28.703 ccw(c90.132,28.735) 90.177,28.735 90.177,28.773 cw(c90.262,28.773) v1(90.202,28.833)
AD12_N: P4.8 U4.B2 | length 34.1
  Top Layer w0.174: U4.B2@90.5,30.5 90.798,30.202 v1(90.798,30)
  Bottom Layer w0.174: P4.8@71.12,5.08 72.065,5.08 ccw(c72.065,5.254) 72.188,5.131 ccw(c72.065,5.254) 72.239,5.254 72.239,5.713 cw(c75.078,5.713) 73.069,7.719 cw(c75.078,5.713) 73.071,7.721 90.105,24.755 ccw(c88.309,26.551) 90.849,26.551 90.849,29.838 ccw(c90.804,29.838) 90.836,29.87 cw(c90.868,29.901) 90.823,29.901 90.823,29.94 ccw(c90.738,29.94) v1(90.798,30)
AD12_P: P4.10 U4.C2 | length 34.1
  Top Layer w0.174: v1(91.202,30) 91.202,30.202 U4.C2@91.5,30.5
  Bottom Layer w0.174: P4.10@73.66,5.08 72.715,5.08 cw(c72.715,5.254) 72.592,5.131 cw(c72.715,5.254) 72.541,5.254 72.541,5.712 cw(c75.081,5.712) 73.285,7.508 90.319,24.543 ccw(c88.312,26.55) 91.151,26.55 91.151,29.838 cw(c91.196,29.838) 91.164,29.87 ccw(c91.132,29.901) 91.177,29.901 91.177,29.94 cw(c91.262,29.94) v1(91.202,30)
B14_0: P2.3 U4.F15 | length 65.6
  Top Layer w0.1: P2.3@66.04,83.82 81.813,68.047 81.813,50.061 v1(82.949,48.925) ; U4.F15@94.5,43.5 95.005,44.005 v1(95.005,44.027)
  Bottom Layer w0.1: v1(82.949,48.925) 82.949,46.893 87.995,41.846 88.904,41.846 91.051,39.699 93.622,39.699 93.926,39.699 94.102,39.875 94.529,40.301 95.993,40.301 96.5,40.809 96.5,42.641 95.114,44.027 v1(95.005,44.027)
B14_1: P2.4 U4.F13 | length 62.3
  Top Layer w0.1: P2.4@66.04,86.36 66.04,85.091 67.681,83.45 67.681,82.819 82.069,68.431 82.069,50.231 v1(82.95,49.35) ; v1(93.801,40) 93.801,40.03 94,40.229 94,40.564 93.699,40.866 93.699,41.125 94.074,41.5 U4.F13@94.5,41.5
  Bottom Layer w0.1: v1(82.95,49.35) 83.25,49.05 83.25,46.873 88.067,42.056 88.975,42.056 91.031,40 v1(93.801,40)
B14_2: P2.5 U4.F14 | length 59.1
  Top Layer w0.1: P2.5@68.58,83.82 82.268,70.132 82.268,50.557 v1(82.95,49.875) ; U4.F14@94.5,42.5 94.506,42.5 94.994,42.011 v1(95,42.011)
  Bottom Layer w0.1: v1(82.95,49.875) 83.454,49.371 83.454,46.951 88.15,42.255 89.058,42.255 90.813,40.5 94.191,40.5 94.509,40.818 94.509,41.65 94.768,41.909 94.842,41.909 94.945,42.011 v1(95,42.011)
B14_3: P2.6 U4.F16 | length 62.8
  Top Layer w0.1: P2.6@68.58,86.36 70.221,84.719 70.221,82.46 82.526,70.155 82.526,50.799 v1(83,50.325) ; v1(94,44.011) 94.006,44.011 94.494,44.5 U4.F16@94.5,44.5
  Bottom Layer w0.1: v1(83,50.325) 83.675,49.65 83.675,47.011 88.232,42.454 89.14,42.454 90.896,40.699 93.199,40.699 94.25,41.75 94.25,42.25 93.5,43 93.5,43.641 93.831,43.972 93.961,43.972 v1(94,44.011)
B14_4: P2.7 U4.E17 | length 53.7
  Top Layer w0.1: P2.7@71.12,83.82 82.725,72.215 82.725,51.075 v1(83,50.8) ; U4.E17@93.5,45.5 v1(94,45)
  Bottom Layer w0.1: v1(83,50.8) 83.001,50.801 85.313,50.801 88.045,48.069 88.045,46.207 88.104,46.149 88.551,46.149 88.903,46.5 92.25,46.5 92.375,46.375 92.375,45.875 92.5,45.75 92.806,45.75 93.556,45 v1(94,45)
B14_5: P2.8 U4.C14 | length 53.9
  Top Layer w0.1: P2.8@71.12,86.36 72.761,84.719 72.761,82.46 82.924,72.297 82.924,51.401 83.375,50.95 83.375,49.45 v1(84.05,48.775) ; v1(90,43) 91,43 U4.C14@91.5,42.5
  Bottom Layer w0.1: v1(84.05,48.775) 84.603,48.775 85.423,47.955 85.423,46.452 88.625,43.25 89.75,43.25 v1(90,43)
B14_6: P2.9 U4.C15 | length 50.1
  Top Layer w0.1: P2.9@73.66,83.82 83.123,74.357 83.123,51.483 83.601,51.005 83.601,49.731 v1(84.104,49.227) ; v1(91,43.949) 91,44 U4.C15@91.5,43.5
  Bottom Layer w0.1: v1(84.104,49.227) 84.113,49.219 84.441,49.219 85.622,48.037 85.622,46.535 88.708,43.449 90.5,43.449 v1(91,43.949)
B14_7: P2.10 U4.E13 | length 56.9
  Top Layer w0.1: P2.10@73.66,86.36 75.301,84.719 75.301,82.46 83.322,74.439 83.322,51.566 83.8,51.088 83.8,50 84.425,49.375 v1(84.426,47.901) ; U4.E13@93.5,41.5 93.5,41.526 93.949,41.974 v1(93.949,42)
  Bottom Layer w0.1: v1(84.426,47.901) 84.426,46.542 88.315,42.653 89.223,42.653 90.524,41.352 93.301,41.352 v1(93.949,42)
B14_8: P2.11 U4.E14 | length 52.1
  Top Layer w0.1: P2.11@76.2,83.82 76.264,83.82 83.521,76.563 83.521,51.648 83.999,51.17 83.999,50.082 84.624,49.457 84.624,48.351 84.765,48.21 84.765,47.681 84.836,47.61 84.836,47.364 v1(84.875,47.325) ; v1(93,42) U4.E14@93.5,42.5
  Bottom Layer w0.1: v1(84.875,47.325) 84.875,46.374 88.397,42.852 89.305,42.852 90.606,41.551 92.551,41.551 v1(93,42)
B14_9: P2.12 U4.E16 | length 52.5
  Top Layer w0.1: P2.12@76.2,86.36 76.2,85.091 77.841,83.45 77.841,82.525 83.72,76.646 83.72,51.731 84.3,51.15 v1(84.3,50.5) ; v1(93,45) U4.E16@93.5,44.5
  Bottom Layer w0.1: v1(84.3,50.5) 85.333,50.5 87.846,47.987 87.846,45.992 89.139,44.699 91.199,44.699 91.75,45.25 92.75,45.25 v1(93,45)
B14_10: P2.15 U4.D16 | length 47.1
  Top Layer w0.1: P2.15@81.28,83.82 83.919,81.181 83.919,51.813 84.602,51.13 84.602,50.225 v1(84.454,50.077) ; v1(92,44.949) 92.026,44.949 92.474,44.5 U4.D16@92.5,44.5
  Bottom Layer w0.1: v1(84.454,50.077) 85.474,50.077 87.647,47.904 87.647,45.909 89.057,44.5 91.5,44.5 91.949,44.949 v1(92,44.949)
B14_11: P2.16 U4.D14 | length 52.8
  Top Layer w0.1: P2.16@81.28,86.36 81.28,85.091 82.921,83.45 82.921,82.46 84.118,81.263 84.118,51.896 84.823,51.191 84.823,48.837 85.066,48.594 v1(85.066,47.806) ; U4.D14@92.5,42.5 v1(93,43)
  Bottom Layer w0.1: v1(85.066,47.806) 85.105,47.767 85.105,47.521 85.224,47.402 85.224,46.37 88.543,43.051 89.523,43.051 90.824,41.75 92.125,41.75 93,42.625 v1(93,43)
B14_12: P2.17 U4.D15 | length 46.4
  Top Layer w0.1: P2.17@83.82,83.82 83.82,83.735 84.317,83.238 84.317,52.114 85.022,51.409 85.022,49.064 v1(85.327,48.76) ; v1(91.992,44) 92,44 U4.D15@92.5,43.5
  Bottom Layer w0.1: v1(85.327,48.76) 85.329,48.757 85.329,48.752 87.05,47.032 87.05,45.526 88.928,43.648 90.148,43.648 90.75,44.25 91.742,44.25 v1(91.992,44)
B14_13: P2.18 U4.B15 | length 46.6
  Top Layer w0.1: P2.18@83.82,86.36 84.719,85.461 84.719,82.46 84.516,82.257 84.516,52.221 85.221,51.516 85.221,49.384 85.375,49.23 v1(85.375,49.175) ; v1(90,44) U4.B15@90.5,43.5
  Bottom Layer w0.1: v1(85.375,49.175) 85.375,49.163 87.249,47.289 87.249,45.608 89.01,43.847 89.847,43.847 v1(90,44)
B14_14: P2.19 U4.B16 | length 43.8
  Top Layer w0.1: v1(85.522,49.603) 85.5,49.625 85.5,51.518 84.715,52.304 84.715,82.015 86.36,83.66 P2.19@86.36,83.82 ; v1(89.143,44.148) 89.143,44.144 89.282,44.005 89.569,44.005 90.064,44.5 U4.B16@90.5,44.5
  Bottom Layer w0.1: v1(85.522,49.603) 87.448,47.677 87.448,45.827 89.127,44.148 v1(89.143,44.148)
B14_15: P2.20 U4.C13 | length 52.9
  Top Layer w0.1: P2.20@86.36,86.36 87.259,85.461 87.259,82.787 84.914,80.442 84.914,52.386 85.85,51.45 85.85,47.997 85.259,47.406 85.259,46.366 88.352,43.273 88.352,41.084 89.335,40.101 89.665,40.101 90.016,40.452 90.016,40.766 90.25,41 90.571,41 91.071,41.5 U4.C13@91.5,41.5
B14_16: P2.21 U4.B13 | length 47.9
  Top Layer w0.1: P2.21@88.9,83.82 88.9,83.8 85.113,80.013 85.113,52.468 86.049,51.532 86.049,47.915 85.458,47.323 85.458,46.449 88.551,43.355 88.551,41.885 89.335,41.101 90.07,41.101 90.469,41.5 U4.B13@90.5,41.5
B14_17: P2.22 U4.A15 | length 47.9
  Top Layer w0.1: v1(85.924,46.686) 85.921,46.686 85.657,46.95 85.657,47.241 86.248,47.832 86.248,51.615 85.312,52.551 85.312,78.137 89.363,82.188 90.1,82.925 90.1,85.16 P2.22@88.9,86.36 ; v1(86.735,46.16) 86.725,46.15 86.725,46.026 89.049,43.702 89.298,43.702 U4.A15@89.5,43.5
  Bottom Layer w0.1: v1(85.924,46.686) 85.94,46.702 86.088,46.702 86.64,46.15 86.725,46.15 v1(86.735,46.16)
B14_18: P2.23 U4.A16 | length 44.4
  Top Layer w0.1: v1(85.968,47.116) 86.447,47.595 86.447,51.697 85.511,52.633 85.511,77.891 89.379,81.759 P2.23@91.44,83.82 ; v1(86.725,46.675) 88.9,44.5 U4.A16@89.5,44.5
  Bottom Layer w0.1: v1(85.968,47.116) 86.16,47.116 86.601,46.675 v1(86.725,46.675)
B14_19: P2.24 U4.A13 | length 50.1
  Top Layer w0.1: U4.A13@89.5,41.5 89.5,41.936 88.75,42.686 88.75,43.438 86.225,45.963 86.225,46.957 86.646,47.378 86.646,51.78 85.71,52.716 85.71,75.96 92.6,82.85 92.6,85.2 P2.24@91.44,86.36
B14_20: P2.27 U4.A14 | length 47.6
  Top Layer w0.1: U4.A14@89.5,42.5 89.097,42.903 89.097,43.372 86.424,46.045 86.424,46.874 86.845,47.295 86.845,51.862 85.909,52.798 85.909,73.209 93.926,81.226 P2.27@96.52,83.82
B14_21: P2.28 U4.B17 | length 49.8
  Top Layer w0.1: U4.B17@90.5,45.5 90.5,45.064 90.218,44.782 90.208,44.782 90.125,44.699 89.865,44.699 89.463,45.101 89.065,45.101 87.044,47.122 87.044,51.945 86.108,52.881 86.108,71.149 97.459,82.5 97.459,85.421 P2.28@96.52,86.36
B14_22: P2.29 U4.B18 | length 46.2
  Top Layer w0.1: v1(88.346,46.5) 87.947,46.5 87.243,47.204 87.243,52.027 86.307,52.963 86.307,71.067 95.997,80.757 P2.29@99.06,83.82 ; v1(90,47) U4.B18@90.5,46.5
  Bottom Layer w0.1: v1(88.346,46.5) 88.846,47 v1(90,47)
B14_23: P2.30 U4.D17 | length 51.8
  Top Layer w0.1: v1(88.954,45.746) 88.648,46.052 88.648,46.625 88.471,46.801 87.927,46.801 87.442,47.287 87.442,52.109 86.506,53.045 86.506,69.682 99.999,83.175 99.999,85.421 P2.30@99.06,86.36 ; v1(92,46) U4.D17@92.5,45.5
  Bottom Layer w0.1: v1(88.954,45.746) 89.209,46 v1(92,46)
B14_24: P2.31 U4.C17 | length 47.9
  Top Layer w0.1: U4.C17@91.5,45.5 91.064,45.5 90.662,45.902 89.252,45.902 88.847,46.308 88.847,46.707 88.554,47 88.01,47 87.641,47.369 87.641,52.192 86.705,53.128 86.705,68.925 P2.31@101.6,83.82
B14_25: P2.32 U4.C18 | length 51.6
  Top Layer w0.1: U4.C18@91.5,46.5 91.499,46.5 91.216,46.218 90.782,46.218 90.665,46.101 89.335,46.101 89.046,46.39 89.046,46.79 88.62,47.215 88.076,47.215 87.84,47.451 87.84,52.274 86.904,53.21 86.904,68.843 100.745,82.684 101.975,82.684 102.7,83.408 102.7,85.26 P2.32@101.6,86.36
B14_26: P2.33 U4.C19 | length 48.3
  Top Layer w0.1: v1(88.346,47.517) 88.039,47.824 88.039,52.357 87.314,53.081 87.314,66.089 104.14,82.915 P2.33@104.14,83.82 ; U4.C19@91.5,47.5 v1(92,47)
  Bottom Layer w0.1: v1(88.346,47.517) 88.562,47.301 90.875,47.301 91.699,47.301 v1(92,47)
B14_27: P2.34 U4.E19 | length 52.3
  Top Layer w0.1: v1(88.112,52.71) 88.09,52.71 87.513,53.287 87.513,65.933 103.878,82.298 103.889,82.298 105.4,83.809 105.4,85.1 P2.34@104.14,86.36 ; v1(93,47.011) 93.006,47.011 93.494,47.5 U4.E19@93.5,47.5
  Bottom Layer w0.1: v1(88.112,52.71) 88.1,52.697 88.1,48.443 89.042,47.5 92.511,47.5 v1(93,47.011)
B14_28: P2.35 U4.D19 | length 48.9
  Top Layer w0.1: v1(88.545,52.554) 88.531,52.567 88.531,52.769 87.712,53.588 87.712,65.851 103.96,82.099 103.972,82.099 104.023,82.15 105.01,82.15 P2.35@106.68,83.82 ; v1(91.994,47.97) 92.012,47.97 92.482,47.5 U4.D19@92.5,47.5
  Bottom Layer w0.1: v1(88.545,52.554) 88.486,52.496 88.476,52.496 88.476,51.975 88.449,51.948 88.449,48.375 88.626,48.199 89.333,48.199 89.781,47.75 90.176,47.75 90.396,47.97 v1(91.994,47.97)
B14_29: P2.36 U4.F18 | length 55.9
  Top Layer w0.1: v1(88.014,55.239) 88.014,65.871 104.043,81.9 106.031,81.9 107.8,83.669 107.8,84.95 106.68,86.07 P2.36@106.68,86.36 ; U4.F18@94.5,46.5 95,47 v1(95,48)
  Bottom Layer w0.1: v1(88.014,55.239) 88.026,55.251 93.249,55.251 94.35,54.15 94.35,48.65 v1(95,48)
B14_30: P2.39 U4.E18 | length 54.4
  Top Layer w0.1: v1(88.45,53.425) 88.45,66.026 104.125,81.701 109.608,81.701 111.727,83.82 P2.39@111.76,83.82 ; v1(93,48) 93.699,48 93.699,47.866 93.899,47.665 93.899,47.335 93.5,46.936 U4.E18@93.5,46.5
  Bottom Layer w0.1: v1(88.45,53.425) 90.325,53.425 93.319,50.431 93.319,48.319 v1(93,48)
B14_31: P2.40 U4.B20 | length 54.4
  Top Layer w0.1: v1(88.821,48.5) 88.821,48.429 89.149,48.101 89.675,48.101 90.074,48.5 U4.B20@90.5,48.5 ; v1(88.85,52.1) 88.85,66.144 104.208,81.502 110.713,81.502 113.009,83.797 113.009,84.266 111.815,85.46 111.815,86.305 P2.40@111.76,86.36
  Bottom Layer w0.1: v1(88.821,48.5) 88.766,48.5 88.707,48.559 88.699,48.559 88.699,51.949 v1(88.85,52.1)
B14_32: P2.41 U4.A20 | length 50.4
  Top Layer w0.1: v1(89,49) U4.A20@89.5,48.5 ; v1(89.165,52.54) 89.18,52.555 89.18,66.193 104.29,81.303 111.783,81.303 P2.41@114.3,83.82
  Bottom Layer w0.1: v1(89,49) 89.165,49.165 v1(89.165,52.54)